# Altium PCB OCP-TimeCardMini-TI_V1.PcbDoc (part 4 of 11)
Units mil, origin at the board's own origin, x right, y up, seen from the top; angles counter-clockwise.
Board outline 5300.46 x 4396.02 mil, 10 copper layers (L01-TOP, L02-GND, L03-SIG, L04-GND, L05-PWR, L06-PWR, L07-GND, L08-SIG, L09-GND, L10-BOT), stack 77.164 mil thick; 832 components, 574 nets, 2904 pads, 1473 vias.
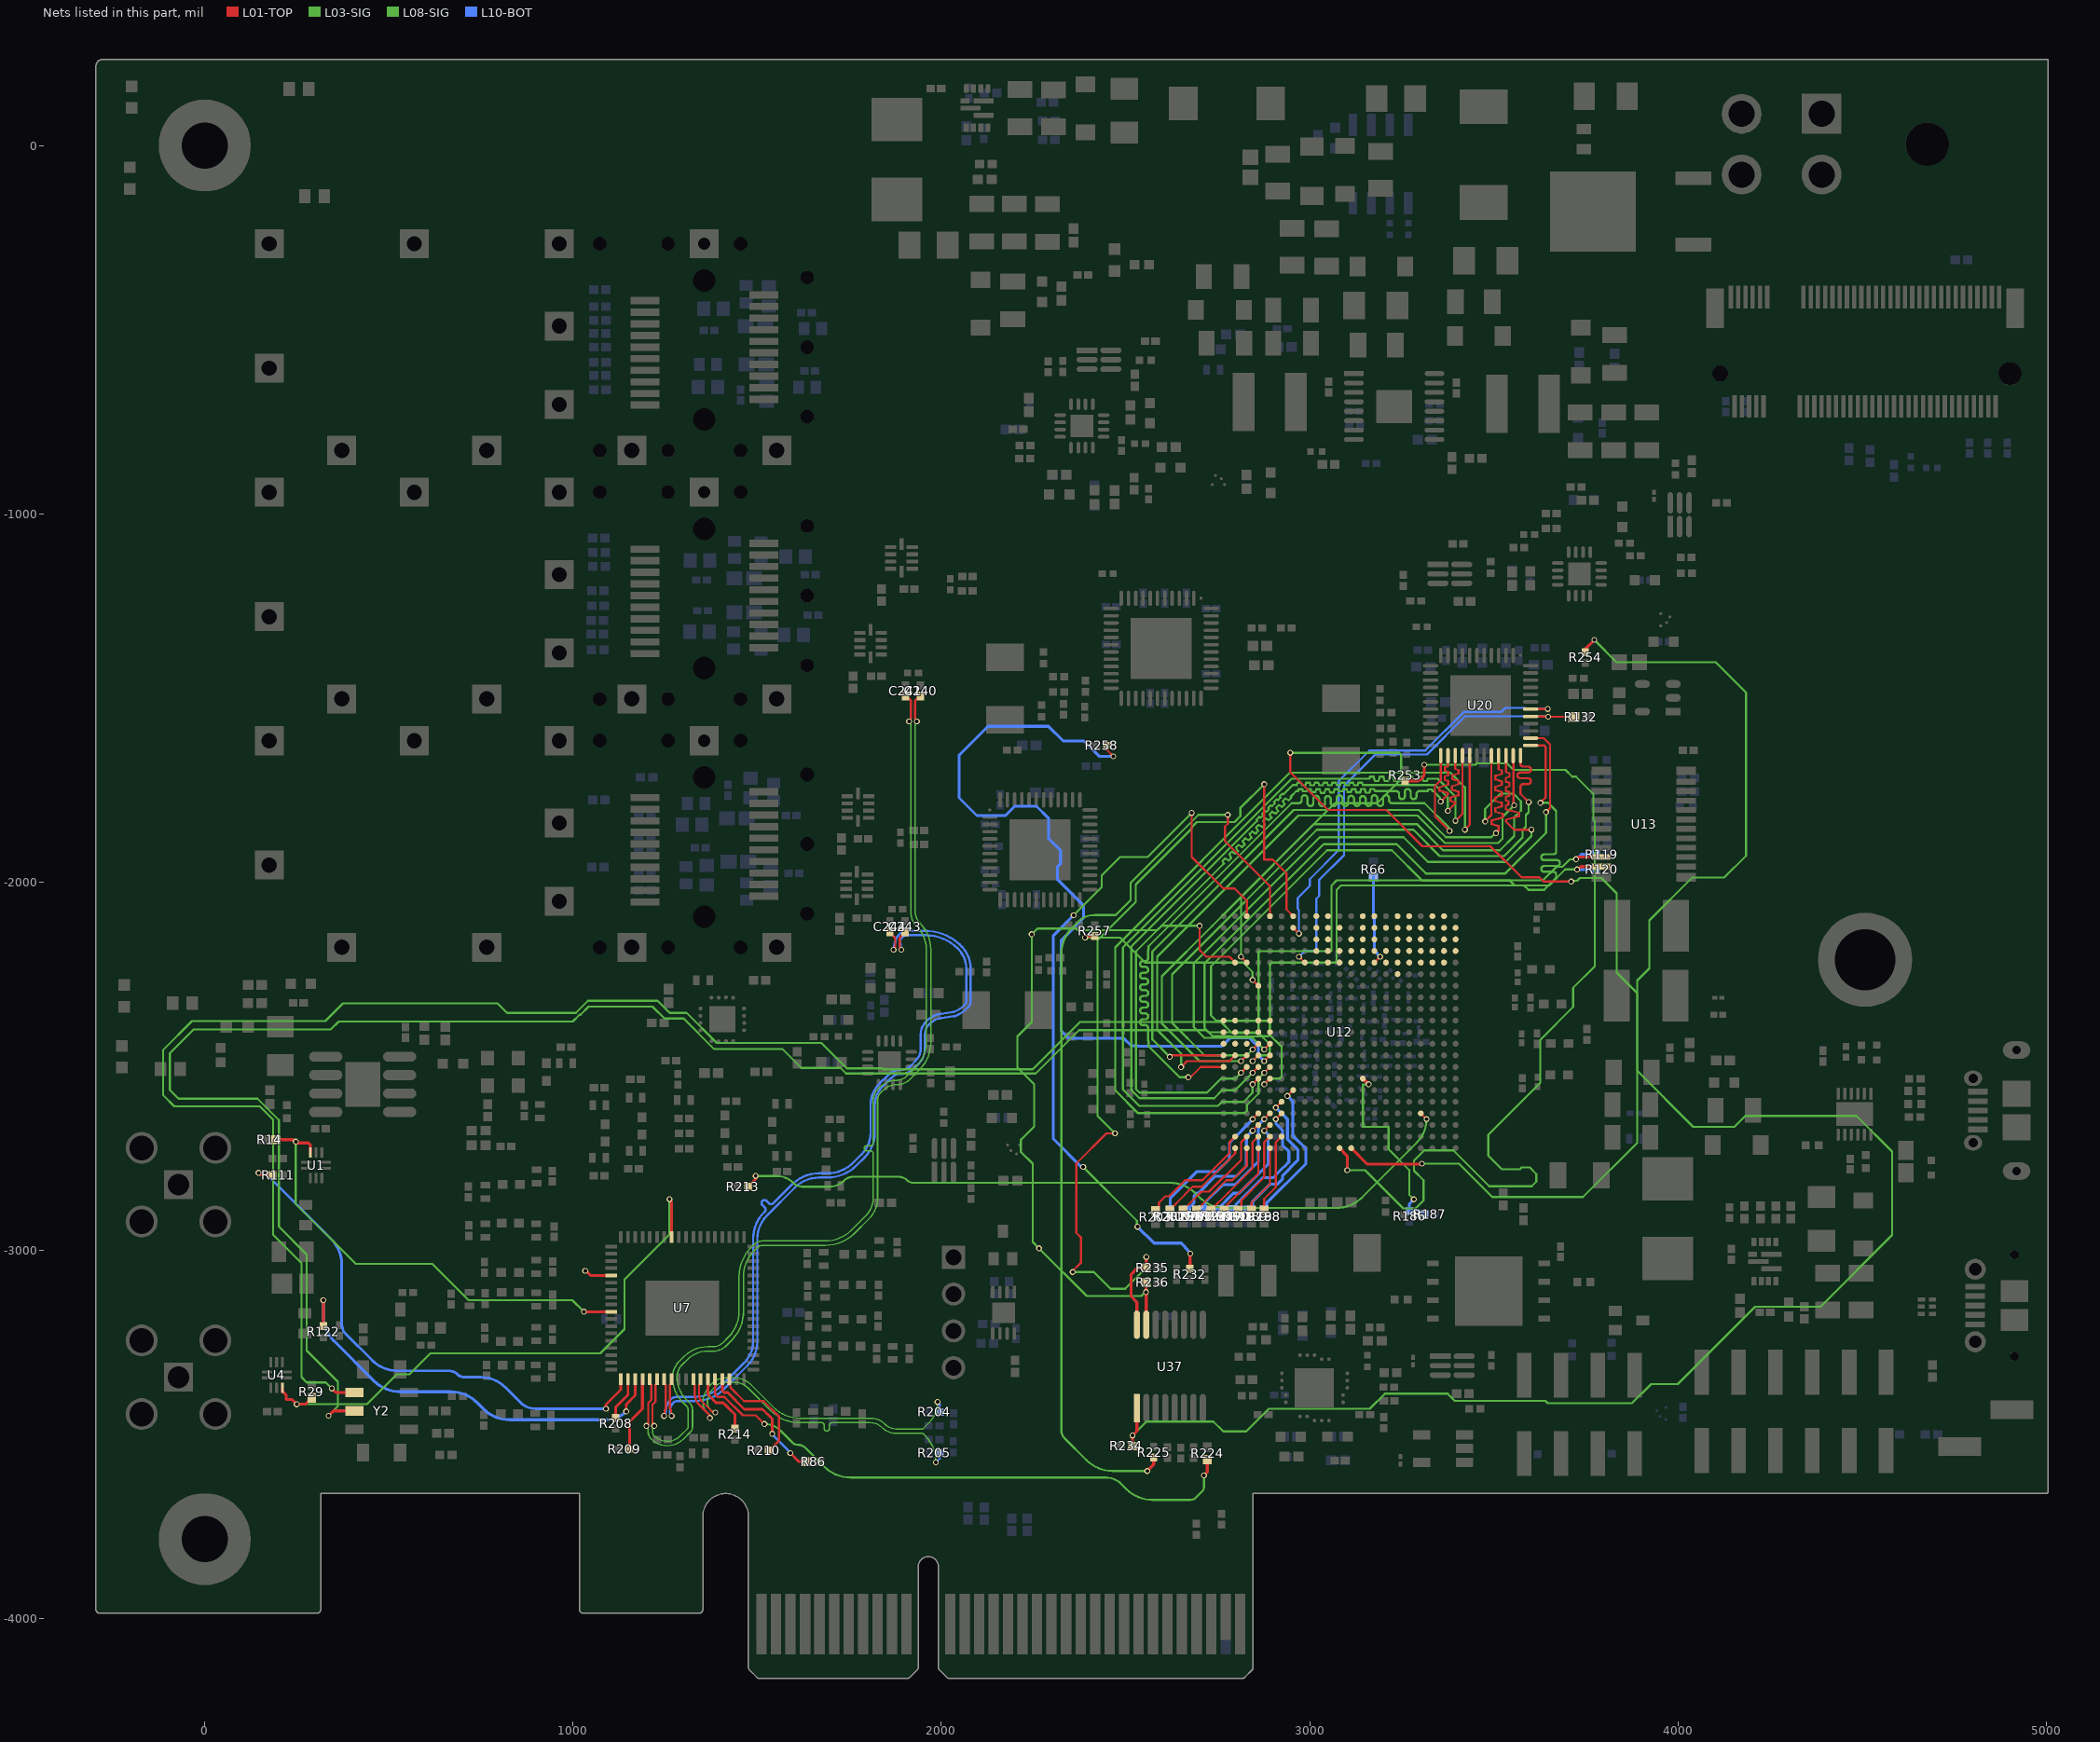
[diagram p12: the nets of this part, all layers, seen from the top]

## Part data (continued)
U22 U26 U30 U34 U35: library part CMP-09140-000008-1, "IC SUPERVISOR 1 CHANNEL SC70-6", Case/Package=SC, Max Operating Temperature=125°C, Max Reset Threshold Voltage=640mV, Max Supply Current=15uA, Max Supply Voltage=3.6V, Min Operating Temperature=-40°C, Min Reset Threshold Voltage=560mV, Min Supply Voltage=2.25V, Nominal Supply Current=10uA, Number of Voltages Monitored=1, Operating Supply Voltage=125V, Package Quantity=3000, Threshold Voltage=600mV, Height=1mm, Lead Free="Contains Lead", Length=2.2mm, Mount="Surface Mount", Number of Monitored Inputs=1, Number of Pins=6, Operating Supply Current=10uA, Overvoltage Threshold=640mV, Packaging="Tape and Reel", Radiation Hardening=No, REACH SVHC="No SVHC", Reset="Active High", Type=Sequencer, Undervoltage Threshold=560mV, Watchdog Timer=No, Width=1.35mm
U32: library part CMP-0326-00024-3, "ESD-Protection Array for High-Speed Data Interfaces, 4 Channels, -40 to +85 degC, 6-pin SON (DRY), Green (RoHS & no Sb/Br)", Breakdown Voltage(Min)(V)=6, IO Capacitance(Typ)(pF)=1.6, IO Leakage Current(nA)=1, Manufacturer="Texas Instruments", 1394 / Firewire=TRUE, ComponentLink1Description="Manufacturer URL", ComponentLink1URL=http://www.ti.com/, ComponentLink2Description=Datasheet, ComponentLink2URL=http://www.ti.com/general/docs/lit/getliterature.tsp?genericPartNumber=TPD4E004&fileType=pdf, ComponentLink3Description="URL Link1", ComponentLink3URL=SamplesURL:http://www.ti.com/product/tpd4e004#samples, DatasheetVersion=SLVS729A, Eco-Plan="Green (RoHS & no Sb/Br)", IEC 61000-4-2 Air-Gap(+/- kV)=12, IEC 61000-4-2 Contact(+/- kV)=8, Mounting Technology="Surface Mount", PackageDescription="6-Pin Plastic Small Outline No-Lead, 1 x 1.45 x 0.6 mm Body, 0.5 mm Pitch", PackageReference=DRY0006A, PackageVersion="revF, Dec-2011", PartNumber=TPD4E004DRYR, Serial ATA / eSATA=TRUE, SubFamily="ESD Solution", USB High Speed=TRUE
U33: library part CMP-0859-00053-3, "Single 2-Input Positive-AND Gate, DBV0005A, LARGE T&R", F @ Nom Voltage(Max)(Mhz)=150, Generic Part Number=SN74LVC1G08, ICC @ Nom Voltage(Max)(mA)=0.01, Manufacturer="Texas Instruments", Operating Temperature Range(C)="-40 to 125,-40 to 85", Rating=Catalog, tpd @ Nom Voltage(Max)(ns)=4.5,6,4,5, Voltage(Nom)(V)=1.8,2.5,3.3,5, 3-State Output=No, Bits(#)=1, DatasheetVersion=SCES217Y, Gate Type=AND, Input Type=CMOS/TTL, Logic=True, Output Drive (IOL/IOH)(Max)(mA)=32/-32, Output Type=CMOS, PackageReference=DBV0005A, Schmitt Trigger=No, Sub-Family="AND Gate", Technology Family=LVC, VCC(Max)(V)=5.5, VCC(Min)(V)=1.65
U36: library part CMP-08071-000002-1, "IC BUFFER/LEVEL XLATOR 1:4 16QFN", Ambient Temperature Range High=+85°C, Ambient Temperature Range Low=-40°C, Manufacturer="Silicon Labs", Max Junction Temp=+125°C, Max Supply Voltage=3.63V, Min Supply Voltage=1.71V, Nominal Supply Current=65mA, Package=0, Temperature="-40°C to +85°C", Automotive=No, CATEGORY=IC, ComponentLink2Description=Datasheet, ComponentLink2URL=https://www.silabs.com/documents/public/data-sheets/si5330x-datasheet.pdf, Device Class L1="Integrated Circuits (ICs)", Device Class L2="Clock and Timing", Device Class L3="Clock Buffers", Digikey Description="IC BUFFER/LEVEL XLATOR 1:4 16QFN", Height=0.9mm, Ipc Land Pattern Name=QFN50P300X300X85-16, Lead Free=Yes, Logic Function=Non-Inverting, Manufacturer Part Number=SI53306-B-GM, Mouser Description="Clock Fanout Buffer (Distribution), Translator IC 725MHz 16-VFQFN Exposed Pad", Number of Elements=1, Number Of Inputs=1, Number of Outputs=4, Octopart=https://octopart.com/si53306-b-gm-silicon+labs-29690230, Propagation Delay=875ps, RoHS=TRUE, Standoff Height=0mm, Temperature Range High=+85°C, Temperature Range Low=-40°C
U37: library part CMP-04892-000035-1, "IC SWITCH SINGLE 16TSSOP", RoHS Compliant=Yes
U39: library part CMP-0248-00027-3, "IC USB SERIAL BASIC UART 12DFN", Case/Package=DFN, Max Operating Temperature=85°C, Max Supply Voltage=5.5V, Min Operating Temperature=-40°C, Min Supply Voltage=2.97V, Operating Supply Current=8mA, Operating Supply Voltage=5V, Package Quantity=5000, Data Rate=3Mbps, Height=0.75mm, Interface=UART, Lead Free="Lead Free", Length=3mm, Mount="Surface Mount", Number of Pins=12, Number of Ports=1, Number of Transceivers=1, Packaging="Tape and Reel", REACH SVHC="No SVHC", Width=3mm
Y1 Y4 Y5 Y6: library part CMP-27762-010820-1, "Crystal 25MHz ±20ppm 18pF SMD-2 6mm x 3.5mm", Case/Package=CSMD, ESR (Equivalent Series Resistance)=50R, Frequency=25MHz, Frequency Stability=30ppm, Frequency Tolerance=20ppm, Load Capacitance=18pF, Max Operating Temperature=85°C, Min Operating Temperature=-40°C, Operating Frequency="25 MHz", Package Quantity=1000, Resistor Type=Ceramic, Depth=3.5mm, Height=0.055inch, Lead Free="Lead Free", Length=6mm, Mount="Surface Mount", Number of Pins=2, Packaging="Tape and Reel", Radiation Hardening=No, REACH SVHC=Yes, Series=ABM7, Series Resistance=50R, Termination=SMD/SMT, Tolerance=20ppm, Width=3.3mm
Y2: library part CMP-OSC-00029-2, "OSC, MEMS, STRATUM 3E, 10.000MHZ, 10PPB STAB, LVCMOS, 3.3V, O/P EN, 7.0X5.0X2.2MM, CQFN-10", Case/Package="10 Lead QFN", Frequency="10 MHz", Frequency Stability="±10 ppb", Manufacturer=SiTime, Manufacturer Part Number=SiT5501AI-WU033JH-10.000000, Max Operating Temperature=70°C, Min Operating Temperature=-20°C, Voltage - Supply="3.3 V", CATEGORY=Oscillators, Height="2.20mm (max)", Mounting Type="Surface Mount", Output=LVCMOS, RoHS=Yes, Type=OCXO
Y3: library part CMP-27762-012912-1, "MEMS Oscillator 40MHz ±25ppm CMOS 2.25V~3.6V 6-SMD 3.2mm x 2.5mm", Case/Package=SMD/SMT, Frequency=40MHz, Frequency Stability=25ppm, Load Capacitance=15pF, Max Operating Temperature=105°C, Max Supply Current=35mA, Max Supply Voltage=3.6V, Min Operating Temperature=-40°C, Min Supply Voltage=2.25V, Operating Supply Voltage=3.3V, Package Quantity=1000, Height=0.035inch, Length=0.126inch, Max Duty Cycle=55%, Mount="Surface Mount", Number of Pins=6, Packaging="Tape and Reel", RoHS Compliant=Yes, Termination=SMD/SMT, Width=0.098inch

## Free pads (board coordinates)
  round 255.91 hole 165.35: 2(4507.87,-2210.64)
  round 250 hole 125.2: MH1(0,-3783.95) MH2(0,0)

## Via types
v1: diameter 16, hole 10, L01-TOP to L10-BOT, 1131 vias
v2: diameter 16, hole 10, L01-TOP to L10-BOT, tented both sides, 213 vias
v3: diameter 16, hole 10, L01-TOP to L10-BOT, tented top, 116 vias
v4: diameter 23.62, hole 11.81, L01-TOP to L10-BOT, 9 vias
v5: diameter 25.98, hole 12.99, L01-TOP to L10-BOT, tented top, 4 vias

## Nets (pads, with @x,y where several pads share a name; then routed paths per layer and width w, separated by ;. In a path a pad name is that pad's centre, name@x,y a point inside that pad or via, vN(x,y) a via of type N, cw(c..) or ccw(c..) an arc to the next point about the centre after c; other vN are vias at no path point)
ADC0_VREFP: R186.1 R187.1 U12.J15 | length 528.1
  L01-TOP w10: U12.J15@3144.21,-2533.3 v2(3159.96,-2549.05)
  L08-SIG w5.58: v2(3159.96,-2549.05) 3144.49,-2549.05 3144.49,-2664.25 3214.02,-2664.25 3214.02,-2725.4 3270.19,-2781.56 3270.19,-2848.69 v1(3282.75,-2861.25)
  L10-BOT w8: v1(3282.75,-2861.25) 3270.77,-2873.23 R186.1@3270.77,-2892.35 3301.17,-2892.35 3310.13,-2901.3 R187.1@3311.11,-2901.3
ANT1_IO_SEL: R14.2 U1.10 U7.64 | length 1267.3
  L01-TOP w7.27: v1(1029.63,-3166.44) U7.64@1103.88,-3166.44
  L01-TOP w8: R14.2@193.36,-2699.18 239.62,-2699.18 245.01,-2704.56 v1(247.17,-2704.56) 250.74,-2708.13 281.67,-2708.13 286.54,-2713 U1.10@286.54,-2734.4
  L08-SIG w5.58: v1(247.17,-2704.56) 247.17,-2873.57 409.93,-3036.32 617.67,-3036.32 716.37,-3135.02 998.21,-3135.02 v1(1029.63,-3166.44)
ANT2_IO_SEL: R29.2 U4.10 U7.47 | length 1601.4
  L01-TOP w7.27: v1(1261.78,-2860.97) 1261.78,-2863.33 1267.34,-2868.9 U7.47@1267.34,-2963.59
  L01-TOP w8: U4.10@211.04,-3372.65 211.04,-3382.65 221.16,-3392.77 221.16,-3404.53 236.42,-3404.53 v1(249.59,-3417.69) 273.23,-3417.69 281.75,-3409.18 282.73,-3409.18 290.54,-3401.37 R29.2@290.54,-3400.38
  L08-SIG w5.58: v1(249.59,-3417.69) 439.96,-3417.69 520.94,-3336.71 555.18,-3336.71 612.36,-3279.53 1073.69,-3279.53 1139.59,-3213.62 1139.59,-3078.96 1261.78,-2956.77 v1(1261.78,-2860.97)
BOOTMODE0: R188.2 U12.T20 | length 219.7
  L01-TOP w5.8: R188.2@2876.49,-2890.86 2876.4,-2890.77 2876.4,-2859.97 2907.99,-2828.39 2907.99,-2706.53 U12.T20@2923.74,-2690.78
BOOTMODE1: R189.2 U12.U21 | length 189.4
  L01-TOP w5.8: R189.2@2842.03,-2890.86 2842.03,-2869.82 2892.24,-2819.6 U12.U21@2892.24,-2722.27
BOOTMODE2: R190.2 U12.T18 | length 363.3
  L01-TOP w5.8: v2(2907.99,-2643.53) U12.T18@2923.74,-2627.79
  L10-BOT w8: R190.2@2791.86,-2889.7 2799.67,-2881.89 2799.67,-2874.66 2872.02,-2802.31 2901.07,-2802.31 2929.98,-2773.41 2930.48,-2773.41 2943.58,-2760.31 2943.58,-2731.21 2926.42,-2714.05 2926.42,-2674.12 2908.71,-2656.41 2908.71,-2644.25 v2(2907.99,-2643.53)
BOOTMODE3: R191.2 U12.U20 | length 236.1
  L01-TOP w5.8: R191.2@2805.2,-2890.86 2814.11,-2881.95 2814.11,-2864.05 2876.49,-2801.66 2876.49,-2706.53 U12.U20@2892.24,-2690.78
BOOTMODE4: R192.2 U12.U18 | length 358.3
  L01-TOP w5.8: v2(2876.49,-2643.53) U12.U18@2892.24,-2627.79
  L10-BOT w6.99: 2860.49,-2682.16 2860.49,-2668.4 2861,-2667.9
  L10-BOT w8: R192.2@2709.31,-2890.39 2716.32,-2883.38 2716.32,-2869.23 2764.55,-2821 2798.61,-2821 2860.49,-2759.12 2860.49,-2752.85 2860.49,-2682.16 ; 2861,-2667.9 2861,-2659.03 v2(2876.49,-2643.53)
BOOTMODE5: R193.2 U12.U19 | length 307.6
  L01-TOP w5.8: v2(2876.49,-2675.03) U12.U19@2892.24,-2659.28
  L10-BOT w8: R193.2@2749.07,-2889.55 2749.07,-2888.57 2793.02,-2844.63 2808.37,-2844.63 2887.43,-2765.57 2887.43,-2752.85 2887.43,-2685.96 v2(2876.49,-2675.03)
BOOTMODE6: R194.2 U12.V20 | length 253.3
  L01-TOP w5.8: R194.2@2732.36,-2890.86 2732.36,-2889.88 2777.59,-2844.65 ; 2777.59,-2844.6 2845,-2777.2 2845,-2706.53 U12.V20@2860.75,-2690.78
BOOTMODE7: R195.2 U12.V21 | length 207.1
  L01-TOP w5.8: R195.2@2767.67,-2890.86 2776.59,-2881.95 2776.59,-2876 2860.75,-2791.83 2860.75,-2752.85 U12.V21@2860.75,-2722.27
BOOTMODE8: R196.2 U12.V19 | length 348.3
  L01-TOP w5.8: v2(2845,-2675.03) U12.V19@2860.75,-2659.28
  L10-BOT w8: R196.2@2666.7,-2891.03 2666.7,-2890.05 2685.83,-2870.92 2685.83,-2851.33 2692.54,-2844.63 2697.57,-2844.63 2743.71,-2798.49 2800.48,-2798.49 2828.28,-2770.7 2828.28,-2752.85 2828.28,-2691.75 v2(2845,-2675.03)
BOOTMODE9: R197.2 U12.T17 | length 394.6
  L01-TOP w5.8: v2(2907.99,-2612.04) U12.T17@2923.74,-2596.29
  L10-BOT w8: R197.2@2830.08,-2890.69 2830.08,-2889.7 2844.53,-2875.25 2844.53,-2867.31 2891.55,-2820.29 2911.65,-2820.29 2926.77,-2805.17 2926.77,-2796.54 2967.94,-2755.37 2967.94,-2726.19 2939.6,-2697.85 2939.6,-2643.65 v2(2907.99,-2612.04)
BOOTMODE10: R198.2 U12.R16 | length 400.1
  L01-TOP w5.8: v2(2939.49,-2580.54) U12.R16@2955.23,-2564.79
  L10-BOT w8: R198.2@2876.49,-2890.86 2882.77,-2884.59 2882.77,-2871.56 2989.48,-2764.85 2989.48,-2752.85 2989.48,-2723.64 2954.59,-2688.76 2954.59,-2595.65 v2(2939.49,-2580.54)
BOOTMODE11: R199.2 U12.W20 | length 285.1
  L01-TOP w5.8: R199.2@2656.22,-2891.28 2656.22,-2890.3 2685.56,-2860.96 2705.99,-2840.5 2726.41,-2840.5 2768.41,-2798.49 2770.1,-2798.49 2813.5,-2755.09 2813.5,-2706.53 U12.W20@2829.25,-2690.78
BOOTMODE12: R200.2 U12.W21 | length 235
  L01-TOP w5.8: R200.2@2692.67,-2891.28 2692.67,-2890.3 2773.67,-2809.29 2789.68,-2809.29 2829.25,-2769.72 U12.W21@2829.25,-2722.27
BOOTMODE13: R201.2 U12.V18 | length 395.1
  L01-TOP w5.8: v2(2845,-2643.53) U12.V18@2860.68,-2627.85 U12.V18@2860.75,-2627.79
  L10-BOT w8: R201.2@2620.99,-2891.56 2620.99,-2858.53 2694.02,-2785.49 2748.61,-2785.49 2782.01,-2752.09 2782.01,-2707.91 2845,-2644.92 v2(2845,-2643.53)
BOOTMODE14: R202.2 U12.Y21 | length 257.1
  L01-TOP w5.8: R202.2@2619.94,-2891.28 2619.94,-2890.3 2637.06,-2873.18 2637.06,-2872.33 2682.36,-2827.03 2707.07,-2827.03 2797.75,-2736.34 U12.Y21@2797.75,-2722.27
BOOTMODE15: R203.2 U12.Y20 | length 324.2
  L01-TOP w5.8: R203.2@2581.74,-2892.22 2590.65,-2883.31 2590.65,-2870.66 2608.13,-2853.18 2618.01,-2853.18 2661.89,-2809.29 2708.82,-2809.29 2782.01,-2736.11 2782.01,-2706.53 U12.Y20@2797.75,-2690.78
CP_GEMAC_CPTS0_HW1TSPUSH: R253.2 U12.L21 | length 2695.9
  L01-TOP w8: U12.L21@3081.18,-2722.35 3101.93,-2743.1 v3(3101.93,-2782.12) ; R253.2@3259.13,-1724.98 3290.11,-1724.98 ccw(c3290.11,-1705.48) 3303.9,-1719.27 ccw(c3287,-1702.37) 3310.9,-1702.37 v1(3310.9,-1681.42)
  L08-SIG w5.58: v3(3101.93,-2782.12) 3150.48,-2782.12 3254.01,-2885.66 3287.69,-2885.66 3309.18,-2864.17 3309.18,-2809.32 3283.02,-2783.16 3283.02,-2756.39 3311.2,-2728.21 3390.11,-2728.21 3487.61,-2825.7 3602.54,-2825.7 3615.26,-2812.97 3615.26,-2792.65 3597.25,-2774.64 3575.62,-2774.64 3570.71,-2779.54 3521.59,-2779.54 3485.05,-2743.01 3485.05,-2686.05 3625.87,-2545.23 3625.87,-2428.27 3715.55,-2338.6 3715.55,-2287.05 3774.18,-2228.42 3774.18,-1833.94 3769.97,-1829.72 3769.97,-1760.54 3722.88,-1713.45 3712.67,-1713.45 3694.55,-1695.33 3553.21,-1695.33 3535.3,-1677.42 3454.05,-1677.42 3450.04,-1681.42 v1(3310.9,-1681.42)
CP_GEMAC_CPTS0_HW2TSPUSH: R254.2 U12.K21 | length 2803
  L01-TOP w8: U12.K21@3112.68,-2722.35 3155.96,-2765.63 3303.79,-2765.63 v3(3304.88,-2764.54) ; R254.2@3748.38,-1375.28 3748.38,-1366.71 v1(3772.75,-1342.34)
  L08-SIG w5.58: v3(3304.88,-2764.54) 3405.13,-2764.54 3495.53,-2854.94 3742.01,-2854.94 3889.22,-2707.73 3889.22,-2267.27 3922.41,-2234.09 3922.41,-2104.11 4039.31,-1987.2 4125.83,-1987.2 4184.65,-1928.39 4184.65,-1485.28 4102.25,-1402.89 3833.3,-1402.89 v1(3772.75,-1342.34)
CPSW_RGMII1_RD0: U12.AA13 U20.33 | length 1948.6
  L01-TOP w5.8: v3(2619.94,-2474.37) 2624.01,-2470.31 2743.08,-2470.31 2743.72,-2470.95 2757.3,-2470.95 2757.94,-2470.31 U12.AA13@2766.26,-2470.31 ; v1(3506.04,-1866.98) 3513.15,-1859.88 3513.15,-1850.48 3513.15,-1847.58 3494.15,-1842.49 3494.15,-1832.49 3513.15,-1827.4 3524.17,-1824.44 3524.17,-1814.44 3513.15,-1811.49 3504.27,-1809.11 3504.27,-1799.11 3513.15,-1796.73 3521.46,-1794.5 3521.46,-1784.5 3513.15,-1782.28 3504.27,-1779.9 3504.27,-1769.9 3513.15,-1767.52 3521.8,-1765.2 3521.8,-1755.2 3513.15,-1752.88 3504.27,-1750.5 3504.27,-1740.5 3513.15,-1738.12 3521.46,-1735.9 3521.46,-1725.9 3513.15,-1723.67 3504.27,-1721.29 3504.27,-1711.29 3513.15,-1708.91 3522.04,-1706.53 3522.04,-1696.53 3513.15,-1694.15 3513.15,-1672.45 U20.33@3513.15,-1656.36
  L08-SIG w5.8: v3(2619.94,-2474.37) 2572.41,-2426.83 2572.41,-2188.58 2956.89,-1804.1 3296.23,-1804.1 3370.08,-1877.95 3493.4,-1877.95 3504.36,-1866.98 v1(3506.04,-1866.98)
CPSW_RGMII1_RD1: U12.U12 U20.34 | length 1914.1
  L01-TOP w5.8: v2(2876.49,-2454.56) U12.U12@2892.24,-2438.81 ; U20.34@3532.84,-1656.36 3532.84,-1677.42 3532.84,-1701.72 3542.41,-1704.29 3542.41,-1714.29 3532.84,-1716.85 3532.26,-1717.01 3532.26,-1727.01 3532.84,-1727.17 3542.41,-1729.73 3542.41,-1739.73 3532.84,-1742.3 3532.25,-1742.46 3532.25,-1752.46 3532.84,-1752.61 3542.41,-1755.18 3542.41,-1765.18 3532.84,-1767.75 3532.26,-1767.9 3532.26,-1777.9 3532.84,-1778.06 3539.29,-1779.79 3539.29,-1789.79 3532.84,-1791.52 3532.26,-1791.67 3532.26,-1801.67 3532.84,-1801.83 3568.41,-1811.36 3568.41,-1821.36 3532.84,-1830.89 3532.84,-1833.79 3532.84,-1835.38 3555.12,-1857.66 v1(3601.97,-1857.66)
  L08-SIG w5.8: v2(2876.49,-2454.56) 2844.8,-2422.86 2714.26,-2422.86 2685.26,-2393.87 2685.26,-2220.23 3027.54,-1877.95 3254.45,-1877.95 3321.38,-1944.88 3531.71,-1944.88 3601.97,-1874.63 v1(3601.97,-1857.66)
CPSW_RGMII1_RD2: U12.Y13 U20.35 | length 1858
  L01-TOP w5.8: v3(2651.02,-2502.2) 2667.17,-2486.05 2782.01,-2486.05 U12.Y13@2797.75,-2470.31 ; U20.35@3552.52,-1656.36 3553.21,-1657.05 3553.21,-1789.43 v1(3555.12,-1791.34)
  L08-SIG w5.8: v3(2651.02,-2502.2) 2651.02,-2465.98 2586.1,-2401.06 2586.1,-2202.59 2969.33,-1819.37 3292.79,-1819.37 3367.13,-1893.7 3511.81,-1893.7 3523.62,-1881.89 3523.62,-1822.83 v1(3555.12,-1791.34)
CPSW_RGMII1_RD3: U12.V12 U20.36 | length 1923.3
  L01-TOP w5.8: v2(2845,-2454.56) U12.V12@2860.75,-2438.81 ; U20.36@3572.21,-1656.36 3572.21,-1660.78 3572.21,-1678.39 ccw(c3580.11,-1678.39) 3580.11,-1686.29 3593.12,-1686.29 cw(c3593.12,-1694.19) 3593.12,-1702.09 3571.91,-1702.09 ccw(c3571.91,-1709.99) 3571.91,-1717.89 3593.12,-1717.89 cw(c3593.12,-1725.79) 3593.12,-1733.69 3580.11,-1733.69 ccw(c3580.11,-1741.59) 3572.21,-1741.59 3572.21,-1760.29 v1(3594.7,-1782.79)
  L08-SIG w5.8: v2(2845,-2454.56) 2829.39,-2470.16 2714.26,-2470.16 2626.59,-2382.49 2626.59,-2250.68 3019.49,-1857.77 3281.59,-1857.77 3352.96,-1929.13 3528.05,-1929.13 3578.22,-1878.97 3578.22,-1857.66 3586.61,-1849.27 3586.61,-1818.13 3594.7,-1810.04 v1(3594.7,-1782.79)
CPSW_RGMII1_RX_CTL: U12.V13 U20.38 | length 1919.5
  L01-TOP w5.8: v2(2845,-2486.05) U12.V13@2860.75,-2470.31 ; U20.38@3599.79,-1609.09 3635.71,-1609.09 3652.67,-1626.05 3652.67,-1799.09 v1(3641.73,-1810.04)
  L08-SIG w5.8: v2(2845,-2486.05) 2860.68,-2470.37 2888.12,-2470.37 2891.52,-2466.98 2891.52,-2439.62 2859.34,-2407.44 2725.47,-2407.44 2714.26,-2396.23 2714.26,-2220.23 3037.44,-1897.05 3236.22,-1897.05 3315.55,-1976.38 3531.22,-1976.38 3641.73,-1865.87 v1(3641.73,-1810.04)
CPSW_RGMII1_RXC: U12.W13 U20.32 | length 2025.5
  L01-TOP w5.8: v2(2813.5,-2486.05) U12.W13@2829.25,-2470.31 ; v1(3476.29,-1835.08) 3493.47,-1817.9 U20.32@3493.47,-1656.36
  L08-SIG w5.8: v2(2813.5,-2486.05) 2700.99,-2486.05 2598.42,-2383.48 2598.42,-2255.44 2735.68,-2118.18 2792,-2061.85 3011.6,-1842.26 3290.43,-1842.26 3361.56,-1913.39 3516.36,-1913.39 3555.12,-1874.63 3555.12,-1824.26 3573.65,-1805.72 3573.65,-1780.37 3553.21,-1759.93 3518.09,-1759.93 3476.29,-1801.73 v1(3476.29,-1835.08)
CPSW_RGMII1_TD0: U12.V15 U20.28 | length 2289
  L01-TOP w5.8: v2(2845,-2549.05) U12.V15@2860.75,-2533.3 ; v1(3395.98,-1833.64) 3414.73,-1814.9 U20.28@3414.73,-1656.36
  L08-SIG w5.8: v2(2845,-2549.05) 2845,-2571.9 2820.44,-2596.46 2761.82,-2596.46 2750.94,-2607.34 2537.5,-2607.34 2493.16,-2563 2493.16,-2177.22 2951.11,-1719.27 3159.28,-1719.27 3162.18,-1719.27 3163.7,-1713.59 3173.7,-1713.59 3175.23,-1719.27 3176.9,-1725.5 3186.9,-1725.5 3188.57,-1719.27 3190.09,-1713.59 3200.09,-1713.59 3201.61,-1719.27 3203.28,-1725.5 3213.28,-1725.5 3214.95,-1719.27 3216.47,-1713.59 3226.47,-1713.59 3227.99,-1719.27 3229.66,-1725.5 3239.66,-1725.5 3241.33,-1719.27 3242.86,-1713.59 3252.86,-1713.59 3254.38,-1719.27 3256.05,-1725.5 3266.05,-1725.5 3267.72,-1719.27 3269.24,-1713.59 3279.24,-1713.59 3280.76,-1719.27 3282.43,-1725.5 3292.43,-1725.5 3294.1,-1719.27 3295.62,-1713.59 3305.62,-1713.59 3307.15,-1719.27 3308.82,-1725.5 3318.82,-1725.5 3320.49,-1719.27 3332.01,-1719.27 3347.51,-1719.27 3395.98,-1767.75 v1(3395.98,-1833.64)
CPSW_RGMII1_TD1: U12.V14 U20.27 | length 2228.1
  L01-TOP w5.8: v2(2845,-2517.55) U12.V14@2860.75,-2501.8 ; v1(3375.19,-1806.4) 3395.04,-1786.55 3395.04,-1785.92 3395.04,-1783.02 3382.69,-1779.71 3382.69,-1769.71 3395.04,-1766.4 3403.92,-1764.02 3403.92,-1754.02 3395.04,-1751.64 3386.15,-1749.26 3386.15,-1739.26 3395.04,-1736.88 3403.92,-1734.5 3403.92,-1724.5 3395.04,-1722.12 3386.73,-1719.9 3386.73,-1709.9 3395.04,-1707.67 3403.92,-1705.29 3403.92,-1695.29 3395.04,-1692.91 3395.04,-1681.42 U20.27@3395.04,-1656.36
  L08-SIG w5.8: v2(2845,-2517.55) 2797.31,-2565.24 2762.15,-2565.24 2741.04,-2586.35 2537.74,-2586.35 2515.75,-2564.36 2515.75,-2175 2854.98,-1835.76 2857.74,-1833.01 2855.87,-1829.78 2862.95,-1822.71 2866.17,-1824.57 2866.69,-1824.87 2873.77,-1817.8 2873.46,-1817.28 2871.6,-1814.05 2878.67,-1806.98 2881.9,-1808.84 2882.42,-1809.14 2889.49,-1802.07 2889.19,-1801.55 2887.33,-1798.32 2894.4,-1791.25 2897.63,-1793.12 2898.15,-1793.42 2905.22,-1786.35 2904.92,-1785.83 2903.05,-1782.6 2910.12,-1775.53 2913.35,-1777.39 2913.87,-1777.69 2920.94,-1770.62 2920.64,-1770.1 2918.78,-1766.87 2925.85,-1759.8 2929.08,-1761.67 2940.37,-1750.38 2954.44,-1736.3 2962.1,-1736.3 2965,-1736.3 2966.67,-1730.07 2976.67,-1730.07 2978.34,-1736.3 2978.49,-1736.88 2988.49,-1736.88 2988.65,-1736.3 2990.32,-1730.07 3000.32,-1730.07 3001.99,-1736.3 3002.14,-1736.88 3012.14,-1736.88 3012.3,-1736.3 3013.97,-1730.07 3023.97,-1730.07 3025.64,-1736.3 3025.79,-1736.88 3035.79,-1736.88 3035.95,-1736.3 3037.62,-1730.07 3047.62,-1730.07 3049.29,-1736.3 3049.44,-1736.88 3059.44,-1736.88 3059.6,-1736.3 3061.27,-1730.07 3071.27,-1730.07 3072.94,-1736.3 3073.09,-1736.88 3083.09,-1736.88 3083.25,-1736.3 3084.92,-1730.07 3094.92,-1730.07 3096.59,-1736.3 3096.74,-1736.88 3106.74,-1736.88 3106.9,-1736.3 3108.57,-1730.07 3118.57,-1730.07 3120.24,-1736.3 3120.4,-1736.88 3130.4,-1736.88 3130.55,-1736.3 3132.22,-1730.07 3142.22,-1730.07 3143.89,-1736.3 3147.67,-1736.3 3340.89,-1736.3 3375.19,-1770.6 v1(3375.19,-1806.4)
CPSW_RGMII1_TD2: U12.W14 U20.26 | length 2276.5
  L01-TOP w5.8: v2(2813.5,-2517.55) U12.W14@2829.25,-2501.8 ; v1(3355.83,-1781.3) 3375.35,-1761.78 3375.35,-1760.83 3375.35,-1757.93 3352.32,-1751.76 3352.32,-1741.76 3375.35,-1735.59 3376.07,-1735.39 3376.07,-1725.39 3375.35,-1725.2 3366.47,-1722.82 3366.47,-1712.82 3375.35,-1710.44 3375.93,-1710.28 3375.93,-1700.28 3375.35,-1700.13 3367.08,-1697.91 3367.08,-1687.91 3375.35,-1685.7 3375.35,-1677.16 U20.26@3375.35,-1656.36
  L08-SIG w5.8: v2(2813.5,-2517.55) 2797.7,-2533.35 2759.59,-2533.35 2721.5,-2571.44 2538.1,-2571.44 2528.63,-2561.97 2528.63,-2188.05 2765.29,-1951.39 2767.34,-1949.34 2763.44,-1942.58 2770.51,-1935.51 2777.27,-1939.41 2780.14,-1941.07 2787.21,-1934 2785.56,-1931.12 2781.65,-1924.37 2788.72,-1917.29 2795.48,-1921.2 2798.35,-1922.85 2805.43,-1915.78 2803.77,-1912.91 2799.86,-1906.15 2806.94,-1899.08 2813.7,-1902.98 2816.57,-1904.64 2823.64,-1897.57 2821.98,-1894.7 2818.08,-1887.94 2825.15,-1880.87 2831.91,-1884.77 2834.78,-1886.43 2841.85,-1879.36 2840.19,-1876.49 2836.29,-1869.73 2843.36,-1862.66 2850.12,-1866.56 2852.99,-1868.22 2860.06,-1861.15 2858.41,-1858.27 2854.5,-1851.52 2861.57,-1844.44 2868.33,-1848.35 2871.2,-1850 2878.28,-1842.93 2876.62,-1840.06 2873.02,-1833.82 2880.09,-1826.75 2886.33,-1830.35 2889.2,-1832.01 2896.27,-1824.94 2894.61,-1822.07 2891.01,-1815.83 2898.08,-1808.76 2904.32,-1812.36 2907.19,-1814.02 2914.26,-1806.95 2912.6,-1804.08 2909,-1797.84 2916.07,-1790.77 2922.31,-1794.37 2925.18,-1796.03 2932.25,-1788.96 2930.6,-1786.08 2926.99,-1779.84 2934.06,-1772.77 2940.3,-1776.38 2942.91,-1777.88 2949.98,-1770.81 2948.47,-1768.21 2950.53,-1766.15 2963.81,-1752.87 2966.02,-1752.87 2968.92,-1752.87 2970.31,-1747.68 2980.31,-1747.68 2981.7,-1752.87 2981.85,-1753.45 2991.85,-1753.45 2992.01,-1752.87 2993.4,-1747.68 3003.4,-1747.68 3004.79,-1752.87 3005.38,-1755.09 3015.38,-1755.09 3015.98,-1752.87 3017.37,-1747.68 3027.37,-1747.68 3028.76,-1752.87 3030.12,-1757.94 3040.12,-1757.94 3041.47,-1752.87 3042.86,-1747.68 3052.86,-1747.68 3054.25,-1752.87 3055.2,-1756.41 3065.2,-1756.41 3066.15,-1752.87 3067.54,-1747.68 3077.54,-1747.68 3078.93,-1752.87 3079.09,-1753.45 3089.09,-1753.45 3089.24,-1752.87 3090.63,-1747.68 3100.63,-1747.68 3102.02,-1752.87 3102.58,-1754.94 3112.58,-1754.94 3113.14,-1752.87 3114.53,-1747.68 3124.53,-1747.68 3125.92,-1752.87 3127,-1756.92 3137,-1756.92 3138.09,-1752.87 3139.63,-1747.1 3149.63,-1747.1 3151.18,-1752.87 3152.39,-1757.39 3162.39,-1757.39 3163.6,-1752.87 3165.14,-1747.1 3175.14,-1747.1 3176.69,-1752.87 3198.25,-1752.87 3215.96,-1752.87 3234.66,-1752.87 cw(c3234.66,-1760.77) 3242.56,-1760.77 3242.56,-1766.87 ccw(c3250.46,-1766.87) 3258.36,-1766.87 3258.36,-1755 cw(c3266.26,-1755) 3274.16,-1755 3274.16,-1766.87 ccw(c3282.06,-1766.87) 3289.96,-1766.87 3289.96,-1760.77 cw(c3297.86,-1760.77) 3297.86,-1752.87 3317.88,-1752.87 3320.78,-1752.87 3322.01,-1748.26 3332.01,-1748.26 3333.25,-1752.87 3336.15,-1752.87 3354.2,-1770.92 3354.2,-1779.67 v1(3355.83,-1781.3)